# Altium PCB carboard.PcbDoc (part 2 of 4)
Units mil, origin at the board's own origin, x right, y up, seen from the top; angles counter-clockwise.
Board outline 5606.45 x 4133.26 mil, 2 copper layers (Top Layer, Bottom Layer); 227 components, 0 nets, 640 pads, 77 vias.
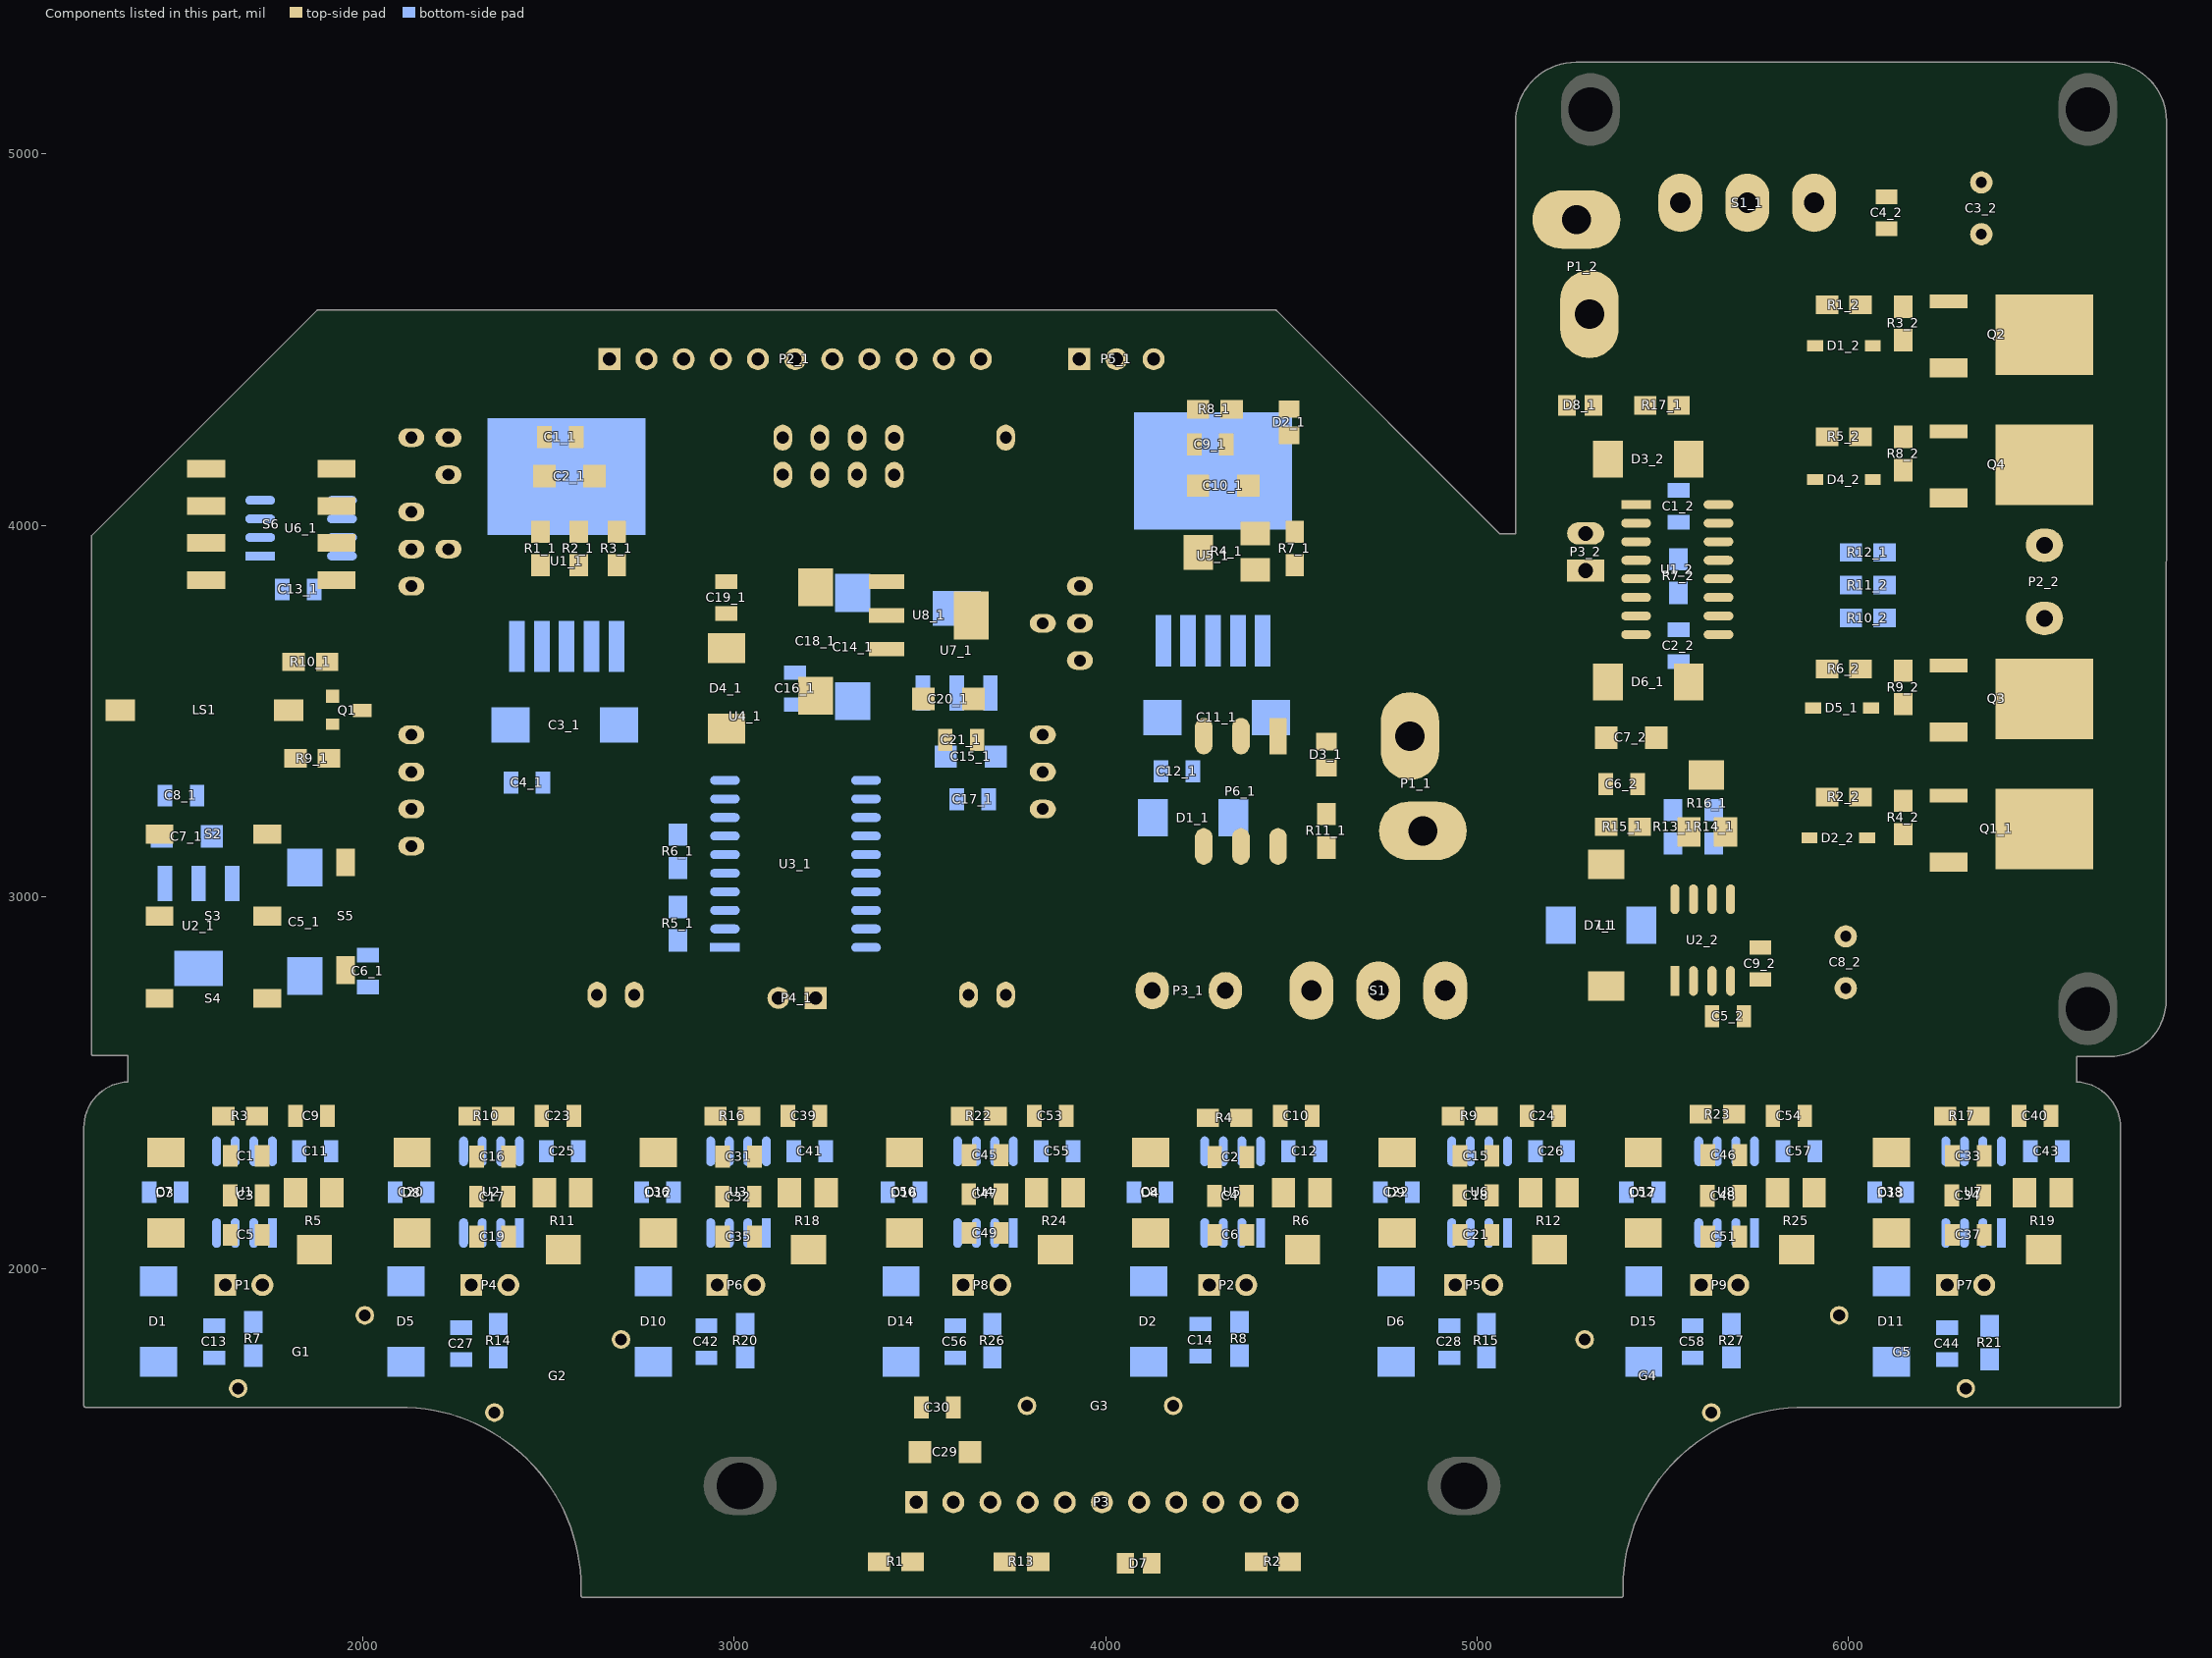
[diagram p2: the components of this part, seen from the top]

## Via types
v1: diameter 30, hole 20, Top Layer to Bottom Layer, 49 vias
v2: diameter 25, hole 18, Top Layer to Bottom Layer, 9 vias
v3: diameter 40, hole 30, Top Layer to Bottom Layer, 6 vias
v4: diameter 20, hole 15, Top Layer to Bottom Layer, 4 vias
v5: diameter 35, hole 20, Top Layer to Bottom Layer, 4 vias
v6: diameter 78.74, hole 39.37, Top Layer to Bottom Layer, 4 vias
v7: diameter 60, hole 30, Top Layer to Bottom Layer, 1 vias

## Nets (pads, with @x,y where several pads share a name; then routed paths per layer and width w, separated by ;. In a path a pad name is that pad's centre, name@x,y a point inside that pad or via, vN(x,y) a via of type N, cw(c..) or ccw(c..) an arc to the next point about the centre after c; other vN are vias at no path point) (continued)
copper on no net: (continued)
  Top Layer w1: 4566.02,4135.8 4571.02,4135.8 ; 4566.02,4136.8 4571.02,4136.8 ; 4566.02,4137.8 4570.02,4137.8 ; 4566.02,4138.8 4570.02,4138.8 ; 4566.02,4139.8 4570.02,4139.8 ; 4566.02,4140.8 4570.02,4140.8 ; 4566.02,4141.8 4570.02,4141.8 ; 4566.02,4142.8 4570.02,4142.8 ; 4566.02,4143.8 4570.02,4143.8 ; 4566.02,4144.8 4570.02,4144.8 ; 4566.02,4145.8 4570.02,4145.8 ; 4566.02,4146.8 4570.02,4146.8 ; 4566.02,4147.8 4570.02,4147.8 ; 4566.02,4148.8 4570.02,4148.8 ; 4566.02,4149.8 4570.02,4149.8 ; 4566.02,4150.8 4570.02,4150.8 ; 4566.02,4151.8 4570.02,4151.8 ; 4566.02,4152.8 4570.02,4152.8 ; 4566.02,4153.8 4570.02,4153.8 ; 4566.02,4154.8 4570.02,4154.8 ; 4566.02,4155.8 4571.02,4155.8 ; 4566.02,4156.8 4571.02,4156.8 ; 4567.02,4130.8 4572.02,4130.8 ; 4567.02,4131.8 4571.02,4131.8 ; 4567.02,4132.8 4571.02,4132.8 ; 4567.02,4133.8 4571.02,4133.8 ; 4567.02,4134.8 4571.02,4134.8 ; 4567.02,4157.8 4571.02,4157.8 ; 4567.02,4158.8 4571.02,4158.8 ; 4567.02,4159.8 4571.02,4159.8 ; 4567.02,4160.8 4571.02,4160.8 ; 4567.02,4161.8 4572.02,4161.8 ; 4568.02,4124.8 4573.02,4124.8 ; 4568.02,4125.8 4573.02,4125.8 ; 4568.02,4126.8 4572.02,4126.8 ; 4568.02,4127.8 4572.02,4127.8 ; 4568.02,4128.8 4572.02,4128.8 ; 4568.02,4129.8 4572.02,4129.8 ; 4568.02,4162.8 4572.02,4162.8 ; 4568.02,4163.8 4572.02,4163.8 ; 4568.02,4164.8 4572.02,4164.8 ; 4568.02,4165.8 4572.02,4165.8 ; 4568.02,4166.8 4573.02,4166.8 ; 4568.02,4167.8 4573.02,4167.8 ; 4569.02,4121.8 4574.02,4121.8 ; 4569.02,4122.8 4573.02,4122.8 ; 4569.02,4123.8 4573.02,4123.8 ; 4569.02,4168.8 4573.02,4168.8 ; 4569.02,4169.8 4573.02,4169.8 ; 4569.02,4170.8 4574.02,4170.8 ; 4570.02,4117.8 4575.02,4117.8 ; 4570.02,4118.8 4575.02,4118.8 ; 4570.02,4119.8 4574.02,4119.8 ; 4570.02,4120.8 4574.02,4120.8 ; 4570.02,4171.8 4574.02,4171.8 ; 4570.02,4172.8 4574.02,4172.8 ; 4570.02,4173.8 4574.02,4173.8 ; 4571.02,4115.8 4576.02,4115.8 ; 4571.02,4116.8 4575.02,4116.8 ; 4571.02,4174.8 4575.02,4174.8 ; 4571.02,4175.8 4575.02,4175.8 ; 4571.02,4176.8 4576.02,4176.8 ; 4572.02,4112.8 4577.02,4112.8 ; 4572.02,4113.8 4577.02,4113.8 ; 4572.02,4114.8 4576.02,4114.8 ; 4572.02,4177.8 4576.02,4177.8 ; 4572.02,4178.8 4577.02,4178.8 ; 4572.02,4179.8 4577.02,4179.8 ; 4573.02,4110.8 4578.02,4110.8 ; 4573.02,4111.8 4577.02,4111.8 ; 4573.02,4180.8 4577.02,4180.8 ; 4573.02,4181.8 4578.02,4181.8 ; 4574.02,4107.8 4579.02,4107.8 ; 4574.02,4108.8 4579.02,4108.8 ; 4574.02,4109.8 4579.02,4109.8 ; 4574.02,4182.8 4579.02,4182.8 ; 4574.02,4183.8 4579.02,4183.8 ; 4574.02,4184.8 4579.02,4184.8 ; 4575.02,4106.8 4580.02,4106.8 ; 4575.02,4185.8 4580.02,4185.8 ; 4576.02,4104.8 4581.02,4104.8 ; 4576.02,4105.8 4581.02,4105.8 ; 4576.02,4186.8 4581.02,4186.8 ; 4576.02,4187.8 4581.02,4187.8 ; 4577.02,4102.8 4582.02,4102.8 ; 4577.02,4103.8 4582.02,4103.8 ; 4577.02,4188.8 4581.02,4188.8 ; 4577.02,4189.8 4582.02,4189.8 ; 4578.02,4101.8 4583.02,4101.8 ; 4578.02,4190.8 4583.02,4190.8 ; 4578.02,4191.8 4583.02,4191.8 ; 4579.02,4099.8 4584.02,4099.8 ; 4579.02,4100.8 4583.02,4100.8 ; 4579.02,4131.8 4581.02,4131.8 ; 4579.02,4132.8 4585.02,4132.8 ; 4579.02,4192.8 4584.02,4192.8 ; 4580.02,4097.8 4585.02,4097.8 ; 4580.02,4098.8 4585.02,4098.8 ; 4580.02,4127.8 4583.02,4127.8 ; 4580.02,4128.8 4582.02,4128.8 ; 4580.02,4193.8 4585.02,4193.8 ; 4581.02,4096.8 4586.02,4096.8 ; 4581.02,4123.8 4588.02,4123.8 ; 4581.02,4129.8 4583.02,4129.8 ; 4581.02,4194.8 4585.02,4194.8 ; 4581.02,4195.8 4586.02,4195.8 ; 4582.02,4094.8 4588.02,4094.8 ; 4582.02,4095.8 4587.02,4095.8 ; 4582.02,4130.8 4583.02,4130.8 ; 4582.02,4196.8 4587.02,4196.8 ; 4582.02,4197.8 4588.02,4197.8 ; 4583.02,4093.8 4588.02,4093.8 ; 4583.02,4119.8 4584.02,4119.8 ; 4583.02,4120.8 4585.02,4120.8 ; 4583.02,4121.8 4587.02,4121.8 ; 4583.02,4122.8 4584.02,4122.8 ; 4583.02,4128.8 4586.02,4128.8 ; 4583.02,4131.8 4585.02,4131.8 ; 4583.02,4182.8 4586.02,4182.8 ; 4583.02,4198.8 4588.02,4198.8 ; 4584.02,4091.8 4590.02,4091.8 ; 4584.02,4092.8 4589.02,4092.8 ; 4584.02,4115.8 4586.02,4115.8 ; 4584.02,4199.8 4589.02,4199.8 ; 4585.02,4090.8 4591.02,4090.8 ; 4585.02,4116.8 4588.02,4116.8 ; 4585.02,4174.8 4586.02,4174.8 ; 4585.02,4175.8 4586.02,4175.8 ; 4585.02,4176.8 4587.02,4176.8 ; 4585.02,4177.8 4587.02,4177.8 ; 4585.02,4181.8 4589.02,4181.8 ; 4585.02,4200.8 4590.02,4200.8 ; 4585.02,4201.8 4591.02,4201.8 ; 4586.02,4089.8 4592.02,4089.8 ; 4586.02,4111.8 4588.02,4111.8 ; 4586.02,4112.8 4589.02,4112.8 ; 4586.02,4122.8 4588.02,4122.8 ; 4586.02,4178.8 4587.02,4178.8 ; 4586.02,4179.8 4588.02,4179.8 ; 4586.02,4180.8 4588.02,4180.8 ; 4586.02,4202.8 4592.02,4202.8 ; 4587.02,4088.8 4593.02,4088.8 ; 4587.02,4113.8 4588.02,4113.8 ; 4587.02,4114.8 4588.02,4114.8 ; 4587.02,4203.8 4592.02,4203.8 ; 4588.02,4087.8 4594.02,4087.8 ; 4588.02,4115.8 4590.02,4115.8 ; 4588.02,4117.8 4590.02,4117.8 ; 4588.02,4177.8 4591.02,4177.8 ; 4588.02,4178.8 4593.02,4178.8 ; 4588.02,4182.8 4589.02,4182.8 ; 4588.02,4204.8 4594.02,4204.8 ; 4589.02,4086.8 4595.02,4086.8 ; 4589.02,4106.8 4590.02,4106.8 ; 4589.02,4107.8 4590.02,4107.8 ; 4589.02,4108.8 4591.02,4108.8 ; 4589.02,4113.8 4592.02,4113.8 ; 4589.02,4116.8 4590.02,4116.8 ; 4589.02,4118.8 4590.02,4118.8 ; 4589.02,4174.8 4590.02,4174.8 ; 4589.02,4175.8 4596.02,4175.8 ; 4589.02,4176.8 4591.02,4176.8 ; 4589.02,4205.8 4595.02,4205.8 ; 4590.02,4085.8 4596.02,4085.8 ; 4590.02,4105.8 4592.02,4105.8 ; 4590.02,4109.8 4595.02,4109.8 ; 4590.02,4172.8 4592.02,4172.8 ; 4590.02,4173.8 4593.02,4173.8 ; 4590.02,4179.8 4593.02,4179.8 ; 4590.02,4180.8 4593.02,4180.8 ; 4590.02,4206.8 4596.02,4206.8 ; 4591.02,4084.8 4597.02,4084.8 ; 4591.02,4114.8 4592.02,4114.8 ; 4591.02,4171.8 4592.02,4171.8 ; 4591.02,4207.8 4597.02,4207.8 ; 4591.02,4208.8 4598.02,4208.8 ; 4592.02,4082.8 4599.02,4082.8 ; 4592.02,4083.8 4598.02,4083.8 ; 4592.02,4110.8 4594.02,4110.8 ; 4592.02,4174.8 4596.02,4174.8 ; 4592.02,4176.8 4594.02,4176.8 ; 4592.02,4177.8 4594.02,4177.8 ; 4592.02,4181.8 4594.02,4181.8 ; 4592.02,4209.8 4599.02,4209.8 ; 4593.02,4101.8 4594.02,4101.8 ; 4593.02,4182.8 4594.02,4182.8 ; 4594.02,4080.8 4601.02,4080.8 ; 4594.02,4081.8 4600.02,4081.8 ; 4594.02,4102.8 4597.02,4102.8 ; 4594.02,4106.8 4595.02,4106.8 ; 4594.02,4107.8 4595.02,4107.8 ; 4594.02,4108.8 4595.02,4108.8 ; 4594.02,4183.8 4597.02,4183.8 ; 4594.02,4210.8 4600.02,4210.8 ; 4594.02,4211.8 4601.02,4211.8 ; 4595.02,4098.8 4597.02,4098.8 ; 4595.02,4103.8 4597.02,4103.8 ; 4595.02,4178.8 4597.02,4178.8 ; 4595.02,4179.8 4597.02,4179.8 ; 4595.02,4182.8 4597.02,4182.8 ; 4596.02,4079.8 4602.02,4079.8 ; 4596.02,4099.8 4597.02,4099.8 ; 4596.02,4101.8 4597.02,4101.8 ; 4596.02,4133.8 4608.02,4133.8 ; 4596.02,4137.8 4616.02,4137.8 ; 4596.02,4138.8 4617.02,4138.8 ; 4596.02,4139.8 4620.02,4139.8 ; 4596.02,4140.8 4621.02,4140.8 ; 4596.02,4141.8 4623.02,4141.8 ; 4596.02,4142.8 4625.02,4142.8 ; 4596.02,4143.8 4627.02,4143.8 ; 4596.02,4144.8 4630.02,4144.8 ; 4596.02,4145.8 4631.02,4145.8 ; 4596.02,4146.8 4633.02,4146.8 ; 4596.02,4147.8 4635.02,4147.8 ; 4596.02,4148.8 4638.02,4148.8 ; 4596.02,4149.8 4639.02,4149.8 ; 4596.02,4150.8 4641.02,4150.8 ; 4596.02,4151.8 4643.02,4151.8 ; 4596.02,4152.8 4645.02,4152.8 ; 4596.02,4153.8 4647.02,4153.8 ; 4596.02,4154.8 4649.02,4154.8 ; 4596.02,4180.8 4597.02,4180.8 ; 4596.02,4181.8 4597.02,4181.8 ; 4596.02,4212.8 4603.02,4212.8 ; 4597.02,4078.8 4603.02,4078.8 ; 4597.02,4100.8 4599.02,4100.8 ; 4597.02,4104.8 4598.02,4104.8 ; 4597.02,4131.8 4657.02,4131.8 ; 4597.02,4132.8 4605.02,4132.8 ; 4597.02,4134.8 4610.02,4134.8 ; 4597.02,4135.8 4612.02,4135.8 ; 4597.02,4136.8 4613.02,4136.8 ; 4597.02,4155.8 4646.02,4155.8 ; 4597.02,4156.8 4645.02,4156.8 ; 4597.02,4157.8 4643.02,4157.8 ; 4597.02,4158.8 4641.02,4158.8 ; 4597.02,4159.8 4610.02,4159.8 ; 4597.02,4160.8 4611.02,4160.8 ; 4597.02,4213.8 4603.02,4213.8 ; 4598.02,4077.8 4605.02,4077.8 ; 4598.02,4095.8 4601.02,4095.8 ; 4598.02,4101.8 4600.02,4101.8 ; 4598.02,4128.8 4662.02,4128.8 ; 4598.02,4129.8 4661.02,4129.8 ; 4598.02,4130.8 4660.02,4130.8 ; 4598.02,4161.8 4614.02,4161.8 ; 4598.02,4162.8 4615.02,4162.8 ; 4598.02,4163.8 4617.02,4163.8 ; 4598.02,4164.8 4619.02,4164.8 ; 4598.02,4214.8 4605.02,4214.8 ; 4599.02,4076.8 4606.02,4076.8 ; 4599.02,4125.8 4666.02,4125.8 ; 4599.02,4126.8 4665.02,4126.8 ; 4599.02,4127.8 4664.02,4127.8 ; 4599.02,4165.8 4621.02,4165.8 ; 4599.02,4166.8 4623.02,4166.8 ; 4599.02,4167.8 4625.02,4167.8 ; 4599.02,4169.8 4600.02,4169.8 ; 4599.02,4215.8 4606.02,4215.8 ; 4600.02,4094.8 4603.02,4094.8 ; 4600.02,4096.8 4604.02,4096.8 ; 4600.02,4123.8 4668.02,4123.8 ; 4600.02,4124.8 4667.02,4124.8 ; 4600.02,4168.8 4627.02,4168.8 ; 4601.02,4075.8 4608.02,4075.8 ; 4601.02,4091.8 4602.02,4091.8 ; 4601.02,4092.8 4602.02,4092.8 ; 4601.02,4093.8 4603.02,4093.8 ; 4601.02,4120.8 4671.02,4120.8 ; 4601.02,4121.8 4670.02,4121.8 ; 4601.02,4122.8 4669.02,4122.8 ; 4601.02,4169.8 4629.02,4169.8 ; 4601.02,4170.8 4631.02,4170.8 ; 4601.02,4171.8 4633.02,4171.8 ; 4601.02,4173.8 4602.02,4173.8 ; 4601.02,4216.8 4608.02,4216.8 ; 4602.02,4074.8 4609.02,4074.8 ; 4602.02,4097.8 4604.02,4097.8 ; 4602.02,4119.8 4672.02,4119.8 ; 4602.02,4172.8 4635.02,4172.8 ; 4602.02,4217.8 4609.02,4217.8 ; 4603.02,4073.8 4611.02,4073.8 ; 4603.02,4095.8 4604.02,4095.8 ; 4603.02,4117.8 4673.02,4117.8 ; 4603.02,4118.8 4672.02,4118.8 ; 4603.02,4173.8 4637.02,4173.8 ; 4603.02,4174.8 4639.02,4174.8 ; 4603.02,4175.8 4641.02,4175.8 ; 4603.02,4218.8 4612.02,4218.8 ; 4604.02,4089.8 4605.02,4089.8 ; 4604.02,4115.8 4674.02,4115.8 ; 4604.02,4116.8 4674.02,4116.8 ; 4604.02,4176.8 4642.02,4176.8 ; 4604.02,4202.8 4606.02,4202.8 ; 4604.02,4205.8 4608.02,4205.8 ; 4605.02,4072.8 4612.02,4072.8 ; 4605.02,4090.8 4606.02,4090.8 ; 4605.02,4113.8 4676.02,4113.8 ; 4605.02,4114.8 4675.02,4114.8 ; 4605.02,4177.8 4645.02,4177.8 ; 4605.02,4178.8 4646.02,4178.8 ; 4605.02,4201.8 4606.02,4201.8 ; 4605.02,4203.8 4608.02,4203.8 ; 4605.02,4206.8 4607.02,4206.8 ; 4605.02,4219.8 4612.02,4219.8 ; 4606.02,4071.8 4614.02,4071.8 ; 4606.02,4091.8 4609.02,4091.8 ; 4606.02,4092.8 4609.02,4092.8 ; 4606.02,4112.8 4677.02,4112.8 ; 4606.02,4179.8 4649.02,4179.8 ; 4606.02,4200.8 4610.02,4200.8 ; 4606.02,4204.8 4608.02,4204.8 ; 4606.02,4220.8 4614.02,4220.8 ; 4607.02,4086.8 4609.02,4086.8 ; 4607.02,4087.8 4610.02,4087.8 ; 4607.02,4088.8 4608.02,4088.8 ; 4607.02,4111.8 4677.02,4111.8 ; 4607.02,4132.8 4656.02,4132.8 ; 4607.02,4180.8 4650.02,4180.8 ; 4607.02,4199.8 4610.02,4199.8 ; 4607.02,4201.8 4609.02,4201.8 ; 4607.02,4202.8 4608.02,4202.8 ; 4608.02,4070.8 4617.02,4070.8 ; 4608.02,4090.8 4609.02,4090.8 ; 4608.02,4109.8 4679.02,4109.8 ; 4608.02,4110.8 4678.02,4110.8 ; 4608.02,4181.8 4653.02,4181.8 ; 4608.02,4182.8 4654.02,4182.8 ; 4608.02,4196.8 4612.02,4196.8 ; 4608.02,4197.8 4610.02,4197.8 ; 4608.02,4198.8 4609.02,4198.8 ; 4608.02,4221.8 4616.02,4221.8 ; 4609.02,4069.8 4618.02,4069.8 ; 4609.02,4088.8 4610.02,4088.8 ; 4609.02,4108.8 4679.02,4108.8 ; 4609.02,4183.8 4657.02,4183.8 ; 4609.02,4222.8 4618.02,4222.8 ; 4610.02,4089.8 4611.02,4089.8 ; 4610.02,4107.8 4679.02,4107.8 ; 4610.02,4184.8 4659.02,4184.8 ; 4610.02,4198.8 4613.02,4198.8 ; 4610.02,4201.8 4613.02,4201.8 ; 4611.02,4068.8 4621.02,4068.8 ; 4611.02,4090.8 4612.02,4090.8 ; 4611.02,4106.8 4680.02,4106.8 ; 4611.02,4133.8 4653.02,4133.8 ; 4611.02,4185.8 4684.02,4185.8 ; 4611.02,4197.8 4612.02,4197.8 ; 4611.02,4199.8 4613.02,4199.8 ; 4611.02,4200.8 4613.02,4200.8 ; 4611.02,4223.8 4621.02,4223.8 ; 4612.02,4067.8 4622.02,4067.8 ; 4612.02,4083.8 4613.02,4083.8 ; 4612.02,4084.8 4613.02,4084.8 ; 4612.02,4085.8 4613.02,4085.8 ; 4612.02,4086.8 4614.02,4086.8 ; 4612.02,4104.8 4645.02,4104.8 ; 4612.02,4105.8 4681.02,4105.8 ; 4612.02,4186.8 4686.02,4186.8 ; 4612.02,4187.8 4698.02,4187.8 ; 4612.02,4224.8 4622.02,4224.8 ; 4613.02,4082.8 4614.02,4082.8 ; 4613.02,4087.8 4617.02,4087.8 ; 4614.02,4081.8 4616.02,4081.8 ; 4614.02,4084.8 4616.02,4084.8 ; 4614.02,4102.8 4645.02,4102.8 ; 4614.02,4103.8 4644.02,4103.8 ; 4614.02,4134.8 4651.02,4134.8 ; 4614.02,4159.8 4637.02,4159.8 ; 4614.02,4188.8 4697.02,4188.8 ; 4614.02,4189.8 4696.02,4189.8 ; 4615.02,4066.8 4625.02,4066.8 ; 4615.02,4082.8 4617.02,4082.8 ; 4615.02,4083.8 4617.02,4083.8 ; 4615.02,4225.8 4625.02,4225.8 ; 4616.02,4101.8 4645.02,4101.8 ; 4616.02,4190.8 4694.02,4190.8 ; 4616.02,4191.8 4694.02,4191.8 ; 4617.02,4065.8 4628.02,4065.8 ; 4617.02,4085.8 4618.02,4085.8 ; 4617.02,4086.8 4618.02,4086.8 ; 4617.02,4100.8 4645.02,4100.8 ; 4617.02,4226.8 4628.02,4226.8 ; 4618.02,4099.8 4644.02,4099.8 ; 4618.02,4160.8 4634.02,4160.8 ; 4618.02,4192.8 4692.02,4192.8 ; 4619.02,4064.8 4632.02,4064.8 ; 4619.02,4098.8 4644.02,4098.8 ; 4619.02,4193.8 4691.02,4193.8 ; 4619.02,4227.8 4632.02,4227.8 ; 4620.02,4135.8 4647.02,4135.8 ; 4621.02,4063.8 4634.02,4063.8 ; 4621.02,4097.8 4691.02,4097.8 ; 4621.02,4194.8 4690.02,4194.8 ; 4621.02,4228.8 4634.02,4228.8 ; 4622.02,4077.8 4623.02,4077.8 ; 4622.02,4096.8 4689.02,4096.8 ; 4622.02,4195.8 4689.02,4195.8 ; 4623.02,4078.8 4624.02,4078.8 ; 4623.02,4079.8 4626.02,4079.8 ; 4624.02,4062.8 4640.02,4062.8 ; 4624.02,4080.8 4625.02,4080.8 ; 4624.02,4081.8 4625.02,4081.8 ; 4624.02,4095.8 4687.02,4095.8 ; 4624.02,4196.8 4686.02,4196.8 ; 4624.02,4229.8 4640.02,4229.8 ; 4625.02,4094.8 4685.02,4094.8 ; 4625.02,4197.8 4685.02,4197.8 ; 4626.02,4061.8 4646.02,4061.8 ; 4626.02,4076.8 4627.02,4076.8 ; 4626.02,4077.8 4628.02,4077.8 ; 4626.02,4078.8 4628.02,4078.8 ; 4626.02,4136.8 4642.02,4136.8 ; 4626.02,4230.8 4646.02,4230.8 ; 4627.02,4079.8 4628.02,4079.8 ; 4627.02,4093.8 4684.02,4093.8 ; 4627.02,4198.8 4684.02,4198.8 ; 4628.02,4080.8 4629.02,4080.8 ; 4629.02,4060.8 4682.02,4060.8 ; 4629.02,4092.8 4681.02,4092.8 ; 4630.02,4074.8 4631.02,4074.8 ; 4630.02,4075.8 4633.02,4075.8 ; 4630.02,4199.8 4682.02,4199.8 ; 4630.02,4210.8 4632.02,4210.8 ; 4630.02,4211.8 4632.02,4211.8 ; 4630.02,4231.8 4681.02,4231.8 ; 4631.02,4076.8 4632.02,4076.8 ; 4631.02,4091.8 4679.02,4091.8 ; 4631.02,4200.8 4679.02,4200.8 ; 4632.02,4074.8 4635.02,4074.8 ; 4632.02,4077.8 4633.02,4077.8 ; 4632.02,4212.8 4637.02,4212.8 ; 4632.02,4213.8 4637.02,4213.8 ; 4632.02,4216.8 4636.02,4216.8 ; 4632.02,4217.8 4636.02,4217.8 ; 4632.02,4221.8 4635.02,4221.8 ; 4633.02,4059.8 4678.02,4059.8 ; 4633.02,4078.8 4635.02,4078.8 ; 4633.02,4211.8 4635.02,4211.8 ; 4633.02,4214.8 4637.02,4214.8 ; 4633.02,4215.8 4637.02,4215.8 ; 4633.02,4218.8 4635.02,4218.8 ; 4633.02,4219.8 4634.02,4219.8 ; 4633.02,4220.8 4635.02,4220.8 ; 4634.02,4072.8 4635.02,4072.8 ; 4634.02,4073.8 4635.02,4073.8 ; 4634.02,4075.8 4635.02,4075.8 ; 4634.02,4076.8 4635.02,4076.8 ; 4634.02,4077.8 4635.02,4077.8 ; 4634.02,4090.8 4676.02,4090.8 ; 4634.02,4201.8 4677.02,4201.8 ; 4634.02,4210.8 4635.02,4210.8 ; 4634.02,4232.8 4677.02,4232.8 ; 4636.02,4089.8 4674.02,4089.8 ; 4636.02,4202.8 4674.02,4202.8 ; 4636.02,4210.8 4638.02,4210.8 ; 4636.02,4211.8 4637.02,4211.8 ; 4636.02,4233.8 4674.02,4233.8 ; 4637.02,4058.8 4674.02,4058.8 ; 4637.02,4216.8 4641.02,4216.8 ; 4637.02,4221.8 4640.02,4221.8 ; 4638.02,4071.8 4639.02,4071.8 ; 4638.02,4072.8 4639.02,4072.8 ; 4638.02,4073.8 4639.02,4073.8 ; 4638.02,4074.8 4639.02,4074.8 ; 4638.02,4213.8 4639.02,4213.8 ; 4638.02,4214.8 4641.02,4214.8 ; 4638.02,4217.8 4641.02,4217.8 ; 4639.02,4076.8 4641.02,4076.8 ; 4639.02,4077.8 4641.02,4077.8 ; 4639.02,4215.8 4641.02,4215.8 ; 4639.02,4218.8 4641.02,4218.8 ; 4639.02,4220.8 4640.02,4220.8 ; 4640.02,4074.8 4641.02,4074.8 ; 4640.02,4075.8 4641.02,4075.8 ; 4640.02,4219.8 4641.02,4219.8 ; 4641.02,4071.8 4643.02,4071.8 ; 4641.02,4072.8 4642.02,4072.8 ; 4641.02,4073.8 4642.02,4073.8 ; 4641.02,4088.8 4670.02,4088.8 ; 4641.02,4203.8 4670.02,4203.8 ; 4641.02,4212.8 4645.02,4212.8 ; 4643.02,4057.8 4668.02,4057.8 ; 4643.02,4073.8 4644.02,4073.8 ; 4643.02,4074.8 4644.02,4074.8 ; 4643.02,4075.8 4644.02,4075.8 ; 4643.02,4076.8 4644.02,4076.8 ; 4643.02,4213.8 4646.02,4213.8 ; 4643.02,4234.8 4667.02,4234.8 ; 4644.02,4087.8 4666.02,4087.8 ; 4645.02,4204.8 4668.02,4204.8 ; 4646.02,4072.8 4648.02,4072.8 ; 4646.02,4073.8 4648.02,4073.8 ; 4646.02,4099.8 4652.02,4099.8 ; 4646.02,4100.8 4650.02,4100.8 ; 4646.02,4101.8 4650.02,4101.8 ; 4646.02,4102.8 4649.02,4102.8 ; 4646.02,4103.8 4650.02,4103.8 ; 4646.02,4104.8 4650.02,4104.8 ; 4647.02,4071.8 4648.02,4071.8 ; 4647.02,4074.8 4648.02,4074.8 ; 4647.02,4075.8 4652.02,4075.8 ; 4647.02,4098.8 4651.02,4098.8 ; 4648.02,4070.8 4652.02,4070.8 ; 4648.02,4155.8 4651.02,4155.8 ; 4649.02,4156.8 4653.02,4156.8 ; 4650.02,4071.8 4652.02,4071.8 ; 4650.02,4072.8 4652.02,4072.8 ; 4651.02,4074.8 4652.02,4074.8 ; 4651.02,4102.8 4653.02,4102.8 ; 4651.02,4103.8 4653.02,4103.8 ; 4652.02,4100.8 4653.02,4100.8 ; 4652.02,4101.8 4653.02,4101.8 ; 4652.02,4157.8 4655.02,4157.8 ; 4653.02,4056.8 4654.02,4056.8 ; 4653.02,4098.8 4659.02,4098.8 ; 4653.02,4104.8 4658.02,4104.8 ; 4653.02,4158.8 4657.02,4158.8 ; 4654.02,4099.8 4659.02,4099.8 ; 4654.02,4100.8 4660.02,4100.8 ; 4654.02,4103.8 4657.02,4103.8 ; 4655.02,4070.8 4657.02,4070.8 ; 4655.02,4071.8 4659.02,4071.8 ; 4655.02,4072.8 4658.02,4072.8 ; 4655.02,4073.8 4658.02,4073.8 ; 4655.02,4074.8 4659.02,4074.8 ; 4655.02,4075.8 4656.02,4075.8 ; 4655.02,4085.8 4656.02,4085.8 ; 4655.02,4101.8 4659.02,4101.8 ; 4655.02,4102.8 4657.02,4102.8 ; 4655.02,4235.8 4656.02,4235.8 ; 4656.02,4056.8 4657.02,4056.8 ; 4656.02,4159.8 4659.02,4159.8 ; 4657.02,4160.8 4661.02,4160.8 ; 4658.02,4070.8 4660.02,4070.8 ; 4658.02,4075.8 4659.02,4075.8 ; 4658.02,4102.8 4666.02,4102.8 ; 4660.02,4103.8 4663.02,4103.8 ; 4660.02,4161.8 4663.02,4161.8 ; 4660.02,4181.8 4676.02,4181.8 ; 4660.02,4182.8 4678.02,4182.8 ; 4660.02,4184.8 4682.02,4184.8 ; 4661.02,4098.8 4663.02,4098.8 ; 4661.02,4099.8 4664.02,4099.8 ; 4661.02,4101.8 4666.02,4101.8 ; 4661.02,4104.8 4664.02,4104.8 ; 4661.02,4162.8 4665.02,4162.8 ; 4661.02,4163.8 4666.02,4163.8 ; 4661.02,4164.8 4669.02,4164.8 ; 4661.02,4165.8 4670.02,4165.8 ; 4661.02,4166.8 4663.02,4166.8 ; 4661.02,4167.8 4662.02,4167.8 ; 4661.02,4168.8 4662.02,4168.8 ; 4661.02,4169.8 4662.02,4169.8 ; 4661.02,4170.8 4662.02,4170.8 ; 4661.02,4171.8 4662.02,4171.8 ; 4661.02,4172.8 4662.02,4172.8 ; 4661.02,4173.8 4663.02,4173.8 ; 4661.02,4174.8 4663.02,4174.8 ; 4661.02,4175.8 4664.02,4175.8 ; 4661.02,4176.8 4666.02,4176.8 ; 4661.02,4177.8 4668.02,4177.8 ; 4661.02,4178.8 4670.02,4178.8 ; 4661.02,4179.8 4672.02,4179.8 ; 4661.02,4180.8 4674.02,4180.8 ; 4661.02,4183.8 4680.02,4183.8 ; 4662.02,4100.8 4665.02,4100.8 ; 4663.02,4071.8 4664.02,4071.8 ; 4663.02,4072.8 4664.02,4072.8 ; 4663.02,4073.8 4664.02,4073.8 ; 4663.02,4074.8 4664.02,4074.8 ; 4663.02,4075.8 4664.02,4075.8 ; 4664.02,4076.8 4666.02,4076.8 ; 4664.02,4098.8 4665.02,4098.8 ; 4664.02,4103.8 4666.02,4103.8 ; 4665.02,4061.8 4684.02,4061.8 ; 4665.02,4070.8 4666.02,4070.8 ; 4665.02,4099.8 4667.02,4099.8 ; 4665.02,4230.8 4684.02,4230.8 ; 4666.02,4075.8 4668.02,4075.8 ; 4667.02,4071.8 4668.02,4071.8 ; 4667.02,4072.8 4668.02,4072.8 ; 4667.02,4073.8 4668.02,4073.8 ; 4667.02,4074.8 4668.02,4074.8 ; 4667.02,4100.8 4694.02,4100.8 ; 4667.02,4104.8 4681.02,4104.8 ; 4668.02,4098.8 4691.02,4098.8 ; 4668.02,4099.8 4692.02,4099.8 ; 4668.02,4101.8 4694.02,4101.8 ; 4668.02,4102.8 4696.02,4102.8 ; 4668.02,4103.8 4697.02,4103.8 ; 4669.02,4217.8 4670.02,4217.8 ; 4669.02,4218.8 4671.02,4218.8 ; 4670.02,4076.8 4673.02,4076.8 ; 4670.02,4077.8 4672.02,4077.8 ; 4670.02,4166.8 4673.02,4166.8 ; 4670.02,4210.8 4676.02,4210.8 ; 4670.02,4219.8 4679.02,4219.8 ; 4670.02,4229.8 4687.02,4229.8 ; 4671.02,4062.8 4687.02,4062.8 ; 4671.02,4073.8 4672.02,4073.8 ; 4671.02,4074.8 4672.02,4074.8 ; 4671.02,4075.8 4672.02,4075.8 ; 4671.02,4167.8 4674.02,4167.8 ; 4671.02,4220.8 4672.02,4220.8 ; 4672.02,4071.8 4673.02,4071.8 ; 4672.02,4072.8 4673.02,4072.8 ; 4672.02,4211.8 4674.02,4211.8 ; 4672.02,4212.8 4675.02,4212.8 ; 4672.02,4213.8 4675.02,4213.8 ; 4672.02,4215.8 4673.02,4215.8 ; 4672.02,4216.8 4674.02,4216.8 ; 4672.02,4217.8 4674.02,4217.8 ; 4673.02,4075.8 4674.02,4075.8 ; 4673.02,4168.8 4677.02,4168.8 ; 4674.02,4073.8 4677.02,4073.8 ; 4674.02,4074.8 4675.02,4074.8 ; 4674.02,4214.8 4675.02,4214.8 ; 4674.02,4220.8 4677.02,4220.8 ; 4675.02,4072.8 4676.02,4072.8 ; 4675.02,4075.8 4677.02,4075.8 ; 4675.02,4076.8 4676.02,4076.8 ; 4675.02,4077.8 4676.02,4077.8 ; 4675.02,4078.8 4676.02,4078.8 